# KiCad board Sound Board.kicad_pcb (continued)
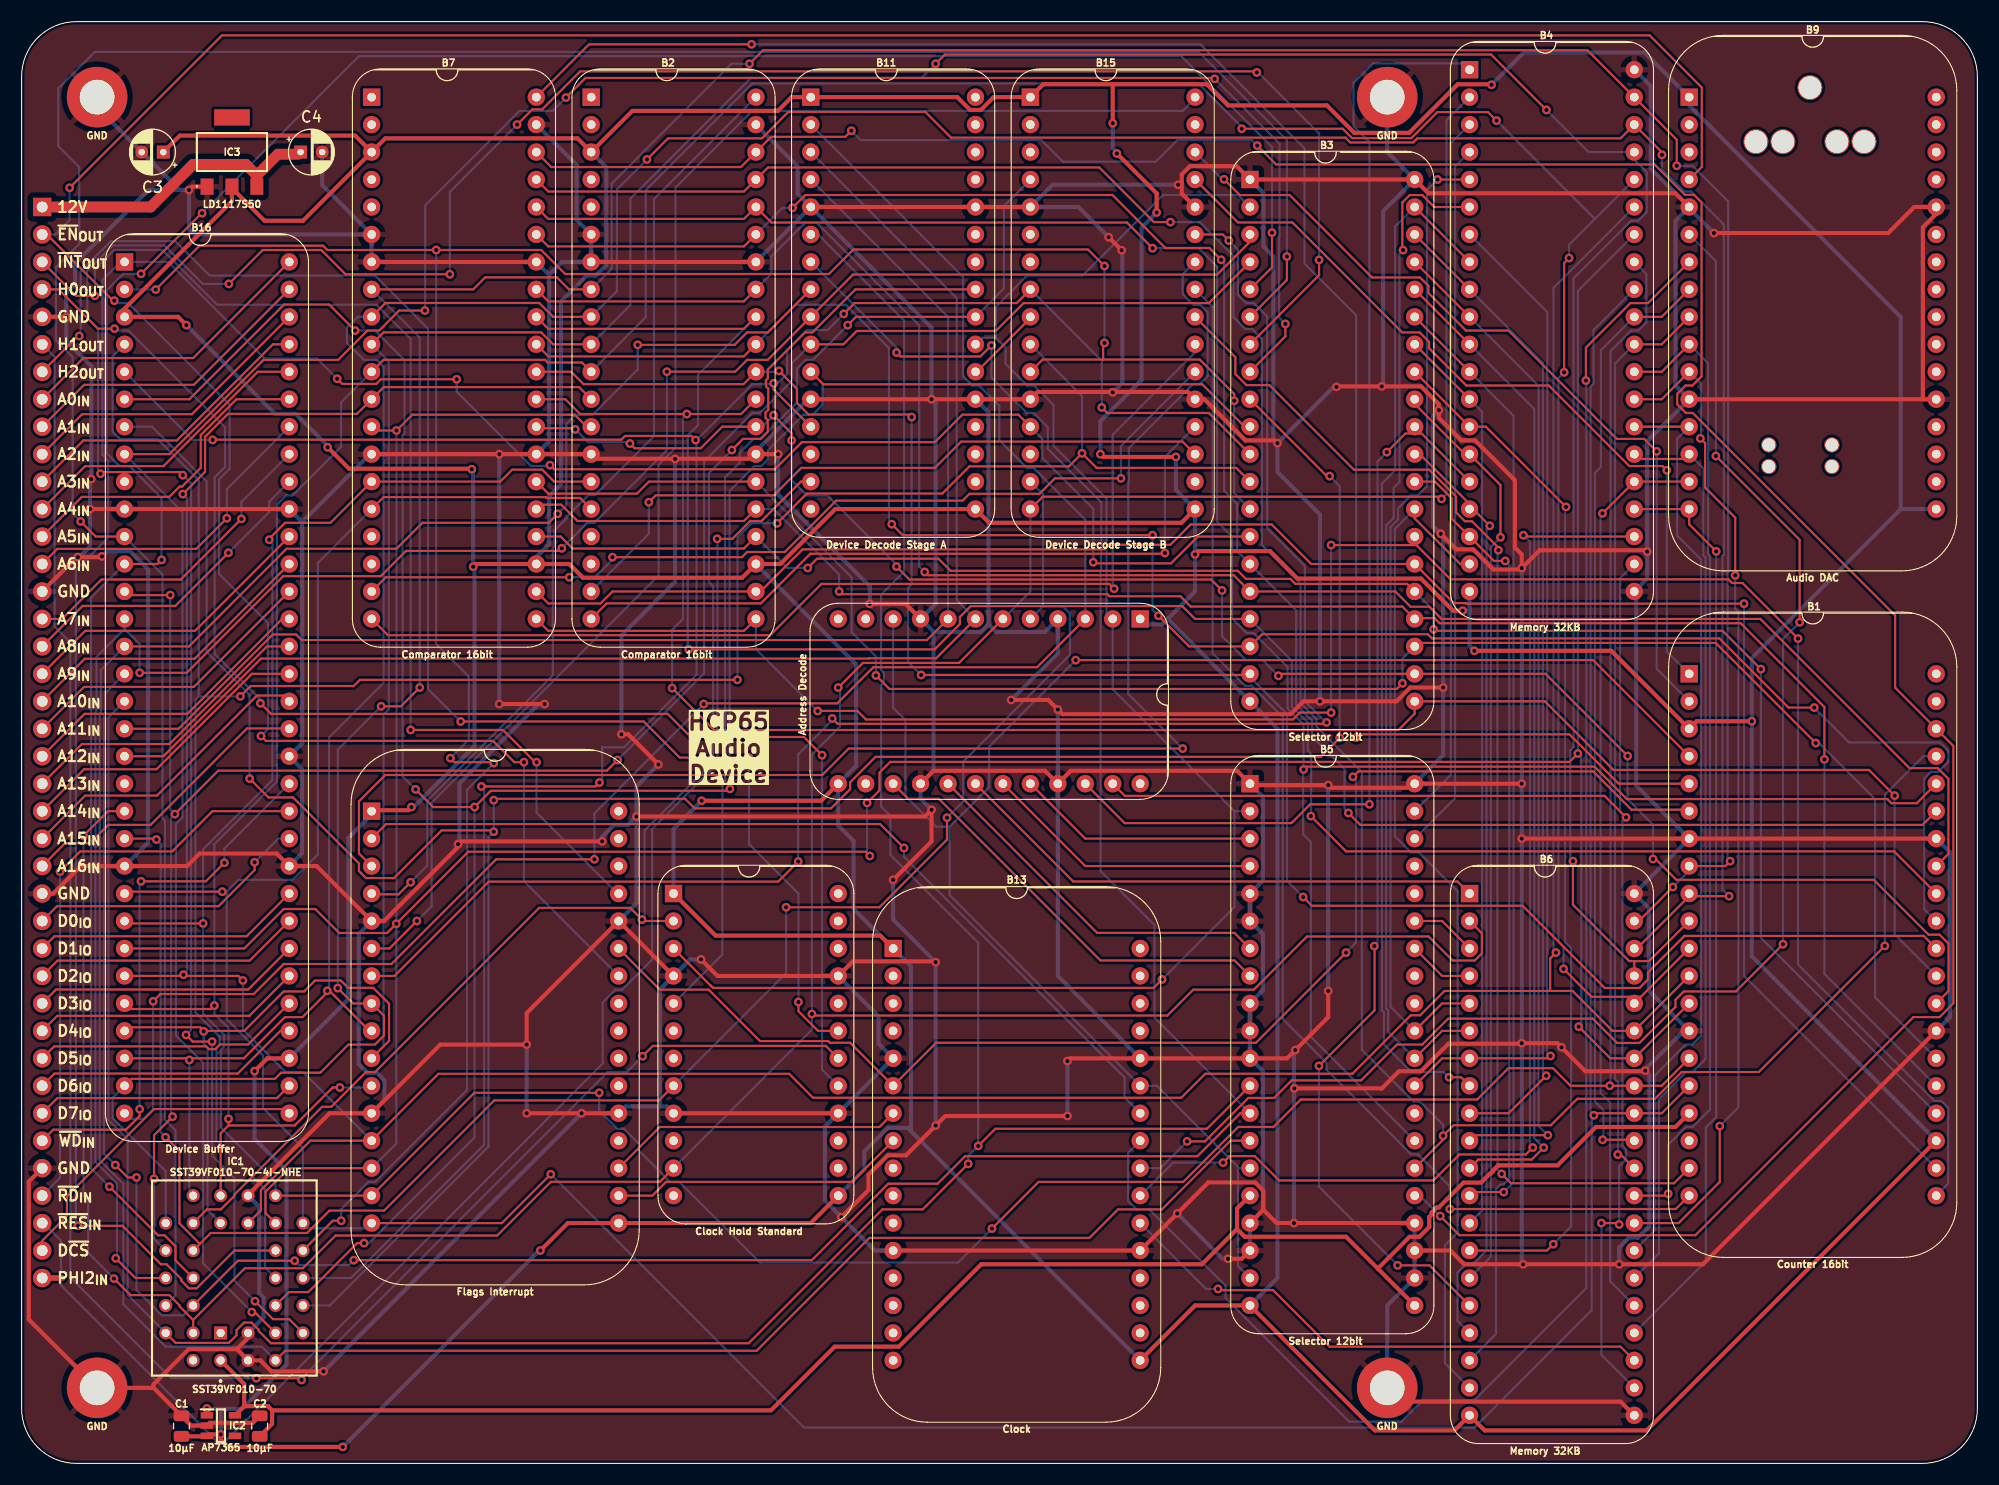
[diagram p0: board, top side]
## Routing (per net, layer and track width the routed paths; a pad name or vN(x,y) marks a point on that pad's centre or on a via; arc(x,y) is an arc through that point) (continued)
/12V: length 27.6
  Top w1: 21.76,119.14 21.76,118.13 ; 21.76,119.14 20.76,120.14 15.87,120.14 11.93,116.21 J1.1 ; 21.76,119.14 23.71,121.09 25.61,121.09
/GND: length 2069.7
  Top w0.38: J1.36 0.66,26.06 0.66,13.31 H2.1 12.21,6.99 ; 19.92,10.56 IC1.2 22.09,9.53 23.11,8.51 v1(27.94,8.51) ; 19.92,10.56 15.46,10.56 12.21,7.31 12.21,6.99 ; 19.92,10.56 20.96,11.6 IC1.3 ; v1(62.86,46.61) 64.39,45.09 B10.21 76.91,46.44 84.5,46.44 v1(84.58,46.36) ; 127.63,5.72 147.95,5.72 B6.21 ; v1(138.81,82.8) 138.81,84.07 138.18,84.71 138.18,90.93 134.49,94.62 133.22,94.62 131.14,96.69 v1(131.14,97.41) 131.14,97.96 129.49,99.62 v1(125.86,99.62) 121.71,99.62 v1(121.67,99.57) ; v1(138.81,82.8) 138.68,82.68 136.18,82.68 134.32,84.54 132.76,84.54 v1(131.32,85.98) ; v1(138.81,82.8) 140.46,84.46 150.3,84.46 v1(150.42,84.33) ; B1.27 155.57,18.42 v1(147.83,18.42) v1(138.94,18.42) 133.48,18.42 132.21,19.69 B5.23 ; v1(80.64,53.98) 84.2,57.53 v1(84.2,60.45) 83.58,59.83 v1(56.9,59.83) ; v1(46.74,32.39) v1(51.82,32.39) B8.21 ; v1(91.57,70.61) 95,70.61 v1(95.88,69.72) 96.31,69.3 117.43,69.3 118.62,70.49 v1(120.14,70.49) 127.22,70.49 128.49,71.76 v1(131.54,71.76) ; 12.21,6.99 C1.2 15.7,3.5 IC2.2 17.4,3.75 21.38,3.75 C2.2 ; J1.26 2.92,52.71 5.46,55.25 B16.23 15.31,55.25 16.47,56.4 23.61,56.4 B16.42 27.3,55.25 B8.5 33.53,50.17 40.39,57.02 v1(40.39,57.28) 40.64,57.53 v1(53.72,57.53) ; B16.55 B16.10 v1(6.33,88.27) ; v1(78.49,79.5) 81.79,79.5 B12.9 ; 53.13,92.92 60.45,92.92 v1(60.47,92.91) 60.48,92.92 67.52,92.92 ; B2.27 v1(70,93.35) ; v1(150.24,36.32) 150.19,36.28 144.7,36.28 v1(142.49,38.48) 142.11,38.86 v1(138.81,38.86) 138.76,38.82 132.03,38.82 129.49,36.28 127.46,36.28 125.87,34.68 v1(117.77,34.68) ; B5.18 112.9,18.92 v1(111.63,18.92) ; 107.35,118.26 107.35,119.21 108.12,119.98 112.43,119.98 B3.1 B3.40 130.17,117.48 153.03,117.48 B9.5 ; 107.35,118.26 v1(107.01,118.26) ; 107.35,118.26 107.35,117.44 B15.28 ; B7.7 B7.34 ; B11.5 B11.28 B15.5 ; 20.96,24.84 28.5,32.39 B8.12 38.73,38.74 v1(46.74,38.74) 46.74,41.66 B8.28 B10.4 ; B11.12 v1(84.2,98.43) B11.21 B15.12 ; B13.12 B13.21 v1(106.93,23.11) 109.8,25.98 114.14,25.98 114.9,25.22 114.9,23.46 ; v1(15.48,117.77) 15.79,118.09 IC3.1 ; v1(120.9,43.69) 120.9,41.28 v1(117.86,38.23) 117.09,37.47 B5.11 B13.28 97.03,37.47 v1(96.77,37.21) ; 113.8,62.73 v1(120.9,62.73) 121.15,62.48 128.52,62.48 ; B1.34 B1.7 v1(138.81,57.79) ; v1(75.86,22.77) 78.36,25.27 78.36,26.7 80.15,28.5 81.83,28.5 v1(84.58,31.24) 85.47,32.13 v1(96.77,32.13) ; B7.14 v1(44.2,93.35) B7.27 B2.14 ; B5.40 v1(138.81,62.87) ; B2.7 B2.34 ; 175.93,98.43 175.93,114.34 177.16,115.57 B9.28 175.13,116.21 172.72,113.79 v1(156.59,113.79) ; 175.93,98.43 B9.21 ; 175.93,98.43 B9.12 ; v1(116.2,94.36) 115.95,94.62 113.25,94.62 109.44,98.43 B15.21 107.91,99.1 101,99.1 v1(100.96,99.06) 100.93,99.1 94.02,99.1 93.54,98.62 ; B5.24 v1(117.73,22.23) 116.13,22.23 114.9,23.46 ; B5.17 114.9,23.46 ; B12.16 84.38,64.06 94.69,64.06 B12.21 97.08,64.06 112.47,64.06 B5.1 ; J1.5 4.09,106.05 v1(4.13,106) ; B10.16 B10.9 ; J1.15 5.08,83.82 v1(5.21,83.82) 7.37,83.82 v1(7.43,83.88) ; v1(58.93,64.64) 56.13,67.44 v1(55.5,67.44) ; v1(48.39,70.23) v1(44.2,70.23) ; v1(100.58,113.41) v1(101.79,112.2)
  Bottom w0.38: v1(84.2,60.45) 83.19,61.47 B12.16 84.39,64.07 84.39,76.9 ; 89.46,77.61 88.76,76.9 84.39,76.9 ; 89.46,77.61 89.46,97.23 B11.21 ; 89.46,77.61 90.17,76.9 94.68,76.9 B12.4 95.88,74.93 v1(91.57,70.61) ; 48.82,109.93 50.02,111.13 B2.7 B2.6 51.36,115.01 51.36,120.09 B7.39 ; 48.82,109.93 48.82,94.54 B7.27 ; 48.82,109.93 B7.34 ; 84.39,76.9 B12.9 84.58,79.5 84.58,98.04 v1(84.2,98.43) 84.2,105.03 B11.5 ; B10.21 79.3,41.35 79.3,38.81 B13.5 B10.16 74.33,31.15 74.33,24.31 v1(75.86,22.77) 78.95,19.69 B13.12 ; B5.18 B5.17 114.86,23.42 114.86,36.27 B5.11 B5.10 B5.9 114.86,43.74 114.86,48.97 B5.6 B5.5 114.86,53.9 114.86,61.67 B5.1 ; v1(138.94,18.42) 138.81,18.54 v1(138.81,38.86) v1(138.81,57.79) v1(138.81,62.87) v1(138.81,82.8) ; v1(116.2,94.36) 116.2,91.69 120.14,87.76 v1(120.14,70.49) ; v1(116.2,94.36) 121.41,99.57 v1(121.67,99.57) ; v1(116.2,94.36) 115.82,94.74 115.82,111.63 114.91,112.54 114.91,117.5 B3.1 ; B11.5 71.81,117.42 71.81,119.96 B2.39 ; B11.5 B2.34 ; v1(7.43,83.88) 7.92,84.38 10.02,84.38 11.71,82.68 11.71,71.02 11.68,70.99 11.68,57.4 B16.23 ; v1(84.58,31.24) v1(84.58,46.36) 80.64,50.29 v1(80.64,53.98) ; B4.40 150.75,127.38 150.75,119.76 B9.5 153.04,114.94 153.04,99.69 B9.12 150.42,94.54 v1(150.42,84.33) 150.42,81.84 B4.21 ; H4.1 126.37,121.29 B3.40 125.98,115.82 125.98,99.74 v1(125.86,99.62) ; v1(40.39,57.28) 40.51,57.4 40.51,62.9 47.84,70.23 v1(48.39,70.23) ; v1(56.9,59.83) 56.9,62.61 v1(58.93,64.64) ; v1(56.9,59.83) 56.12,59.06 54.83,59.06 53.72,57.94 v1(53.72,57.53) ; v1(56.9,59.83) 56.9,51.82 B8.28 ; B7.6 27.81,118.24 C4.2 ; B7.6 B7.7 ; B7.6 16,113.67 15.49,114.17 15.49,117.76 v1(15.48,117.77) ; B8.21 55.88,33.02 59.06,33.02 ; 59.06,33.02 59.69,33.02 B10.9 ; 59.06,33.02 59.06,43.82 B10.4 61.85,46.61 v1(62.86,46.61) ; B1.14 150.57,43.74 150.57,51.36 B6.40 B1.7 149.41,62.68 149.41,80.46 ; B8.5 31.19,48.98 31.19,43.07 31.19,43.07 31.19,36.94 32.01,36.12 32.88,36.12 33.58,35.42 33.58,33.58 B8.12 ; v1(100.96,99.06) 101.85,99.95 101.85,112.14 v1(101.79,112.2) ; v1(95.88,69.72) B12.21 95.88,45.09 B13.28 ; v1(60.47,92.91) 60.47,81.55 55.5,76.58 v1(55.5,67.44) ; 6.98,125.41 C3.2 14.62,117.77 v1(15.48,117.77) ; 153.8,40.01 150.24,36.45 v1(150.24,36.32) 150.62,35.94 150.62,21.94 149.56,20.88 148.73,20.88 147.83,19.97 v1(147.83,18.42) ; v1(15.48,117.77) 11.73,117.77 4.95,111 4.95,109.09 4.13,108.27 v1(4.13,106) 4.13,103.82 6.45,101.5 6.45,91.11 6.44,91.1 v1(6.44,91.03) 6.33,90.92 v1(6.33,88.27) 6.33,84.81 5.34,83.82 v1(5.21,83.82) ; v1(131.14,97.41) 130.6,96.86 130.6,86.7 v1(131.32,85.98) 131.54,85.75 v1(131.54,71.76) 131.54,65.51 B5.40 ; v1(111.63,18.92) 111.12,18.92 v1(106.93,23.11) ; v1(120.9,43.69) v1(120.9,62.73) ; B1.27 178.42,41.26 178.42,56.53 B1.34 ; 25.96,87.07 25.96,66.6 B16.46 25.96,64.21 25.96,56.44 B16.42 ; 25.96,87.07 B16.55 ; 25.96,87.07 32.24,93.35 ; IC1.16 21.99,23.73 21.99,15.73 22.39,15.33 22.39,13.5 IC1.3 ; v1(107.01,118.26) 95.4,118.26 B15.5 97.79,116.21 v1(100.58,113.41) ; v1(46.74,32.39) v1(46.74,38.74) ; v1(70,93.35) 70,89.6 78.49,81.12 v1(78.49,79.5) ; v1(117.73,22.23) 117.73,34.64 v1(117.77,34.68) 117.73,34.72 117.73,38.1 v1(117.86,38.23) ; 67.94,93.62 72.75,98.43 ; B5.24 B5.23 B5.22 126.37,14.61 H3.1 ; 154.31,116.08 v1(156.59,113.79) ; v1(51.82,32.39) v1(27.94,8.51) ; v1(96.77,32.13) v1(96.77,37.21) ; v1(44.2,93.35) v1(44.2,70.23)
/A0: length 239.9
  Top w0.2: v1(5.21,21.97) 9.33,21.97 12.89,18.42 13.41,18.42 14.79,17.04 14.79,16.89 15.48,16.19 16.2,16.19 19.69,19.69 IC1.12 ; v1(48.89,92.33) 49.28,91.95 69.7,91.95 72.2,94.45 84.51,94.45 87.05,97 92.23,97 B15.13 ; B3.14 108.84,85.73 106.36,83.25 99.26,83.25 v1(99.16,83.34) ; v1(40.26,100.27) 33.25,100.27 32.82,99.84 29.67,99.84 v1(29.2,100.32)
  Bottom w0.2: v1(99.16,83.34) 99.16,88.29 94.45,93.01 94.45,94.78 B15.13 ; v1(29.2,100.32) 27.32,102.19 22.49,102.19 13.56,111.13 9.14,111.13 7.47,109.46 7.47,93.27 8,92.75 8,85.61 5.02,82.63 5.02,22.16 v1(5.21,21.97) ; v1(48.89,92.33) 48.81,92.25 47.14,92.25 40.26,99.13 v1(40.26,100.27)
/A0_{IN}: length 28.1
  Top w0.2: B16.64 15.87,102.24 5.71,102.24 J1.8
/A1: length 242
  Top w0.2: 100.08,102.09 109.02,102.09 112.21,98.91 v1(112.21,98.28) ; 100.08,102.09 94.47,102.09 B15.11 ; 100.08,102.09 100.08,103.51 v1(100.2,103.63) ; v1(43.69,64.77) 43.6,64.85 40.05,64.85 v1(39.68,65.22) ; v1(29.57,22.44) 28.79,22.44 IC1.11 ; v1(12.41,108.57) 16.47,112.63 27.89,112.63 28.29,112.23 v1(38.37,112.23) 48.08,112.23 50.31,110 74.7,110 76.97,112.28 98.67,112.28 v1(100.2,110.74)
  Bottom w0.2: v1(39.68,65.22) 41.38,66.92 41.38,72.77 38.37,75.78 v1(38.37,112.23) ; B3.13 112.21,89.72 v1(112.21,98.28) ; v1(43.69,64.77) 41.21,62.3 41.21,34.53 32.72,26.04 32.09,26.04 29.57,23.52 v1(29.57,22.44) ; B16.2 12.39,108.59 v1(12.41,108.57) ; v1(100.2,103.63) v1(100.2,110.74)
/A1_{IN}: length 28.1
  Top w0.2: J1.9 5.78,99.76 15.94,99.76 B16.63
/A2: length 223
  Top w0.2: B3.12 112.39,92.08 99.47,92.08 v1(98.12,93.42) 96.92,92.22 87.71,92.22 85.19,89.7 72.66,89.7 v1(69.91,86.95) ; v1(20.24,70.95) 21.19,71.9 30.73,71.9 31.3,72.47 v1(66.24,72.47)
  Bottom w0.2: IC1.10 22.54,18.1 22.54,25.34 18.04,29.84 18.04,38.44 18.33,38.72 18.33,39.47 16.09,41.71 16.09,70.64 16.39,70.95 ; 16.39,70.95 16.39,90.92 12.58,94.73 9.12,94.73 8.43,95.43 8.43,102.41 B16.4 ; 16.39,70.95 v1(20.24,70.95) ; B15.10 98.12,98.73 v1(98.12,93.42) ; v1(69.91,86.95) 67.55,86.95 66.24,85.64 v1(66.24,72.47)
/A2_{IN}: length 28.1
  Top w0.2: B16.62 15.76,97.04 5.6,97.04 J1.10
/A3: length 231.3
  Top w0.2: v1(62.37,94.65) 61.99,95.03 55.83,95.03 55.48,94.68 17.7,94.68 v1(17.68,94.66) ; B15.8 92.08,107.32 77.08,107.32 v1(76.08,106.32) ; v1(53.47,62.97) 53.11,62.61 v1(42.55,62.61) ; v1(69.59,99.9) 69.59,99.32 B11.13 ; B3.11 109.85,97.16 100.46,97.16 v1(99.95,97.66)
  Bottom w0.2: IC1.9 30.48,17.15 42.8,29.46 42.8,62.36 v1(42.55,62.61) ; B16.5 15.83,94.66 v1(17.68,94.66) ; 62.46,94.65 v1(62.37,94.65) ; 62.46,94.65 62.46,72.95 55.73,66.23 53.79,66.23 53.72,66.29 53.72,63.22 v1(53.47,62.97) ; 62.46,94.65 67.62,99.81 69.5,99.81 v1(69.59,99.9) 69.95,99.9 70.83,100.78 70.83,102.98 72.67,104.82 74.58,104.82 v1(76.08,106.32) ; B15.8 99.95,101.98 v1(99.95,97.66)
/A3_{IN}: length 28.1
  Top w0.2: J1.11 5.71,94.62 14.37,94.62 23.26,103.51 B16.61
/A4: length 243.5
  Top w0.2: 113.17,95.89 109.25,99.81 74.18,99.81 B11.11 ; IC1.8 24.73,15.84 26.52,15.84 31.05,20.37 v1(31.69,20.37) ; v1(65.54,62.39) 65.36,62.21 43.42,62.21 v1(41.91,60.71) 38.09,60.71 v1(36.46,62.34) ; v1(30.86,104.78) 28.45,107.18 24.29,107.18 15.53,98.43 B16.6
  Bottom w0.2: v1(36.46,62.34) 35.26,63.54 35.26,95.11 35.43,95.28 35.43,102.04 32.7,104.78 v1(30.86,104.78) ; v1(65.54,62.39) 65.52,62.4 65.52,89.95 67.81,92.24 68.44,92.24 69.09,92.89 69.09,93.73 72.35,96.99 73.19,96.99 74.13,97.93 74.13,99.86 B11.11 ; v1(41.91,60.71) 41.91,30.15 32.14,20.37 v1(31.69,20.37)
/A4_{IN}: length 28.1
  Top w0.2: J1.12 5.88,92.24 13.12,92.24 21.85,100.97 B16.60
/A5: length 239.7
  Top w0.2: B3.9 120.78,91.31 v1(121.03,91.31) ; v1(21.1,63.33) 22.84,61.6 25.12,61.6 31.22,55.5 31.22,54.78 31.86,54.14 34.45,54.14 38.86,58.55 43.56,58.55 v1(43.69,58.42) ; v1(43.69,61.34) 43.81,61.47 61.4,61.47 62.28,60.59 74.9,60.59 76.67,62.36 76.67,62.99 79.02,65.35 120.21,65.35 v1(121.97,67.11)
  Bottom w0.2: v1(21.1,63.33) 21.1,71.08 17.12,75.05 17.12,90.83 12.06,95.89 B16.7 ; v1(121.97,67.11) 121.97,90.37 v1(121.03,91.31) ; v1(43.69,61.34) v1(43.69,58.42) 43.2,57.93 43.2,29.3 28.51,14.61 IC1.7
/A5_{IN}: length 29.9
  Top w0.2: J1.13 5.57,89.39 13.67,89.39 14.62,90.35 14.85,90.35 16.58,92.07 16.58,95.12 19.88,98.43 B16.59
/A6: length 239.9
  Top w0.2: B16.8 13.67,93.35 22.39,102.07 29.3,102.07 32,104.78 33.08,104.78 34.93,106.63 v1(37.32,106.63) ; v1(21.3,13.99) 21.57,13.99 IC1.6 ; v1(110.4,128.05) 110.31,128.14 52.19,128.14 v1(50.37,126.33) ; v1(116.94,105.39) 116.94,104.24 B3.8
  Bottom w0.2: v1(21.3,13.99) 16.79,18.51 16.79,37.07 14.27,39.58 14.27,59.16 14.88,59.76 14.88,87.99 B16.8 ; v1(37.32,106.63) 37.34,106.65 37.34,116.37 46.07,125.1 49.14,125.1 v1(50.37,126.33) ; v1(116.94,105.39) 116.37,105.97 116.37,113.51 116.4,113.55 116.4,122.05 v1(110.4,128.05)
/A6_{IN}: length 29.7
  Top w0.2: v1(18.99,87.42) 16.16,84.58 3.3,84.58 J1.14
  Bottom w0.2: B16.58 18.99,90.11 v1(18.99,87.42)
/A7: length 268.7
  Top w0.2: v1(45.85,123.83) 47.26,125.24 48.17,125.24 51.69,128.75 114.2,128.75 v1(114.3,128.65) ; v1(14.91,91.4) 14.63,91.69 7.45,91.69 v1(7.3,91.54) ; v1(15.22,39.63) 15.84,39.01 v1(17.63,39.01) ; v1(19.18,109.09) 22.31,112.23 27.73,112.23 29.97,109.98 v1(39.62,109.98) ; v1(21.6,15) 23.27,13.34 24.76,13.34 IC1.5 ; v1(120.06,111.31) 120.06,109.9 B3.7
  Bottom w0.2: v1(114.3,128.65) 114.42,128.65 120.06,123.01 v1(120.06,111.31) ; v1(14.91,91.4) 15.68,90.63 15.68,40.1 v1(15.22,39.63) ; v1(45.85,123.83) 39.62,117.6 v1(39.62,109.98) ; v1(19.18,109.09) 16.76,109.09 13.21,112.65 8.43,112.65 6.07,110.29 6.07,105.95 7.07,104.95 7.07,91.76 v1(7.3,91.54) ; v1(21.6,15) 19.68,16.92 19.68,26.4 17.63,28.46 v1(17.63,39.01)
/A7_{IN}: length 30.1
  Top w0.2: J1.16 3.74,78.11 7.39,81.75 14.73,81.75 v1(20.34,87.36)
  Bottom w0.2: B16.57 20.34,88.92 v1(20.34,87.36)
/A8: length 257
  Top w0.2: B3.6 117.08,109.46 v1(117.08,111.63) ; B16.11 6.86,85.73 v1(5.46,87.12)
  Bottom w0.2: B16.11 13.03,82.22 13.03,59.65 13.27,59.42 13.27,31.78 14.24,30.81 14.24,15.51 IC1.27 ; v1(5.46,87.12) 4.73,87.86 4.73,102.32 3.18,103.87 3.18,110.62 5.33,112.78 5.33,119.89 3.39,121.83 3.39,127.16 6.78,130.55 108.91,130.55 117.08,122.39 v1(117.08,111.63)
/A8_{IN}: length 29.7
  Top w0.2: v1(19.14,84.22) 14.22,79.31 5.65,79.31 J1.17
  Bottom w0.2: B16.56 22.91,88.95 22.91,88 v1(19.14,84.22)
/A9: length 237
  Top w0.2: B16.12 12.57,83.19 v1(12.95,83.57) ; v1(115.7,113.84) 115.7,110.62 B3.5 ; v1(8.12,25.6) 12.62,21.1 13.23,21.1 14.24,20.09 14.24,18.78 IC1.26 ; v1(16.7,115.63) 16.66,115.63 v1(11.05,110.03)
  Bottom w0.2: B16.12 6.43,80.09 6.43,27.29 v1(8.12,25.6) ; v1(12.95,83.57) 12.95,89.27 9.98,92.25 9.07,92.25 7.87,93.44 7.87,108.49 9.41,110.03 v1(11.05,110.03) ; v1(115.7,113.84) 115.7,121.76 107.31,130.15 31.22,130.15 v1(16.7,115.63)
/A9_{IN}: length 28.1
  Top w0.2: B16.54 16.04,77 5.88,77 J1.18
/A10: length 199.1
  Top w0.2: B11.10 76.04,103.51 77.28,104.74 90.14,104.74 92.71,107.32 109.85,107.32 B3.4 ; v1(14.18,60.05) 18.19,64.07 54.16,64.07 v1(55.14,65.05) ; 9.86,80.31 v1(13.75,80.31) ; v1(12.25,26.32) 12.25,30.36 v1(13.97,32.07)
  Bottom w0.2: IC1.23 12.25,20.77 v1(12.25,26.32) ; v1(55.14,65.05) 63.15,73.06 63.15,92.68 67.63,97.16 68.31,97.16 71.28,100.12 71.28,101.76 B11.10 ; v1(13.97,32.07) 13.83,32.21 13.83,59.7 v1(14.18,60.05) 13.75,60.48 v1(13.75,80.31)
/A10_{IN}: length 28.1
  Top w0.2: J1.19 5.84,74.42 16,74.42 B16.53
/A11: length 194.7
  Top w0.2: v1(8.71,18.97) 10.54,17.15 IC1.25 ; v1(49.98,84.63) 49.75,84.4 35.57,84.4 33.23,82.06 24.21,82.06 15.28,73.12 v1(10.92,73.12) ; 113.66,113 110.63,109.96 76.94,109.96 B11.9 69.05,102.07 67.13,102.07 66.04,100.97 v1(59.71,100.97)
  Bottom w0.2: 9.52,77.18 6.93,74.59 6.93,69.59 6.82,69.48 6.82,27.88 8.82,25.89 8.82,19.08 v1(8.71,18.97) ; 9.52,77.18 10.92,75.78 v1(10.92,73.12) ; 9.52,77.18 9.52,78.1 ; v1(59.71,100.97) 59.71,93.71 53,87 52.34,87 v1(49.98,84.63)
/A11_{IN}: length 28.1
  Top w0.2: B16.52 15.94,71.82 5.78,71.82 J1.20
/A12: length 260.5
  Top w0.2: v1(57.01,103.45) 65.97,103.45 67.13,104.61 69.05,104.61 B11.8 ; B5.14 111.87,29.84 105.52,23.5 101.45,23.5 98.82,20.86 78.46,20.86 68.01,10.41 24.38,10.41 IC1.4 ; B16.15 15.49,75.57 24.52,84.6 34.69,84.6 37.09,87 48.77,87 v1(49.61,87.83)
  Bottom w0.2: B16.15 7.33,73.37 7.33,69.42 7.22,69.32 7.22,28.05 8.54,26.73 8.55,26.73 9.41,25.86 9.41,14.71 13.33,10.8 22.22,10.8 IC1.4 ; v1(49.61,87.83) 50.4,88.62 50.4,96.15 51.24,96.99 52.83,96.99 57.01,101.17 v1(57.01,103.45)
/A12_{IN}: length 27.5
  Top w0.2: 24.11,78.11 15.34,69.33 5.83,69.33 J1.21
/A13: length 273.9
  Top w0.2: IC1.28 20.01,18.75 v1(25.27,18.75) ; v1(8.67,27.59) 9.82,26.44 v1(10.63,26.44) ; B5.13 112.77,32.39 108.79,28.41 87.3,28.41 84.76,25.87 80.19,25.87 73.12,18.8 v1(30.73,18.8) ; v1(80.96,102.74) 81.32,102.38 88.71,102.38 v1(89.73,103.4)
  Bottom w0.2: v1(8.67,27.59) 7.62,28.64 7.62,69.15 7.73,69.25 7.73,71.23 B16.16 ; B5.13 104.83,41.22 104.83,49.79 99.85,54.77 99.85,82.55 99.9,82.6 99.9,88.89 94.95,93.84 94.95,95.84 93.64,97.16 93.01,97.16 89.73,100.43 v1(89.73,103.4) ; v1(10.63,26.44) 10.63,16.04 12.97,13.7 14.97,13.7 IC1.28 ; v1(25.27,18.75) 25.67,18.34 30.28,18.34 v1(30.73,18.8) ; v1(80.96,102.74) 80.96,103.19 B11.7
/A13_{IN}: length 28.1
  Top w0.2: J1.22 5.57,66.53 13.68,66.53 22.71,75.57 B16.50
/A14: length 266.6
  Top w0.2: IC1.29 14.26,11.14 19.18,11.14 19.89,11.86 19.89,12.33 20.58,13.02 21.28,13.02 21.95,12.35 21.95,12.24 23.07,11.11 67.27,11.11 79.65,23.5 83.38,23.5 v1(87.59,27.71) ; B5.12 109.69,30.95 90.1,30.95 v1(88.52,29.36)
  Bottom w0.2: B16.17 8.02,68.99 8.02,31.76 9.81,29.97 9.81,15.59 IC1.29 ; v1(87.59,27.71) 87.59,28.44 v1(88.52,29.36) 88.52,48.15 80.39,56.27 80.39,59.88 79.53,60.74 79.53,71.99 79.79,72.24 79.79,73.14 79.53,73.39 79.53,80.36 81.66,82.48 81.66,105.7 73.7,113.67
/A14_{IN}: length 28.1
  Top w0.2: J1.23 5.78,64.2 12.48,64.2 21.31,73.03 B16.49
/A15: length 126.7
  Top w0.2: B12.8 83.77,76.15 25.92,76.15 25.4,76.67 23.24,76.67 14.52,67.95 B16.18
  Bottom w0.2: B12.8 85.72,106.05 B11.4
/A15_{IN}: length 28.6
  Top w0.2: J1.24 5.88,61.76 12.52,61.76 21.78,71.02 24.23,71.02 B16.48
/A16: length 133.5
  Top w0.2: B16.19 13.12,65.41 22.15,74.44 78.41,74.44 78.44,74.46 84.62,74.46 B12.7
  Bottom w0.2: B12.7 86.53,79.84 86.53,107.78 B11.3
/A16_{IN}: length 28.1
  Top w0.2: 24.73,67.98 20.86,67.98 11.93,59.05 8.02,59.05 6.32,57.35 4.01,57.35 J1.25
/A ~{OE}: length 65.6
  Bottom w0.2: B5.39 132.25,63.67 132.25,122.09 B4.3
/A ~{WE}: length 65.6
  Bottom w0.2: B5.38 132.64,61.53 132.64,119.95 B4.4
/B ~{OE}: length 6.1
  Top w0.2: B5.35 131.44,50.17 B6.3
/B ~{WE}: length 6.1
  Top w0.2: B5.34 131.44,45.09 B6.4
/C0: length 200.6
  Top w0.2: v1(73.66,69.59) 73.67,69.6 77.34,69.6 78.13,68.81 117.63,68.81 118.27,69.44 v1(121.17,69.44) ; B7.21 48.73,77 66.84,77 B2.21 ; v1(121.17,84.93) 129.06,84.93 132.23,81.77 157.93,81.77 158.27,81.43 159.24,81.43 v1(164.38,76.29)
  Bottom w0.2: v1(121.17,69.44) v1(121.17,84.93) ; v1(164.38,76.29) 164.38,46.14 177.01,33.51 177.65,33.51 178.27,32.89 178.27,25.87 B1.21 ; v1(73.66,69.59) 67.94,75.31 B2.21
/C1: length 177.4
  Top w0.2: v1(159.38,79.52) 133.68,79.52 133.63,79.57 132.52,79.57 B3.26 119.33,83.19 115.68,86.84 108.18,86.84 106.3,84.96 100.61,84.96 100.18,84.54 72.26,84.54 68.37,80.65 ; B7.22 48.73,79.54 53.57,79.54 54.68,80.65 B2.22
  Bottom w0.2: v1(159.38,79.52) 159.38,45.09 B1.22
/C2: length 168.8
  Top w0.2: B2.24 66.83,84.61 50.99,84.61 49.88,85.73 B7.24 ; v1(130.66,77.14) 130.8,77.01 157.39,77.01 v1(160.94,73.46) ; v1(72.75,82.82) 73.6,83.67 84.84,83.67 85.96,82.56 112.54,82.56 113.29,81.81 117.4,81.81 117.86,81.35 128.2,81.35 B3.25
  Bottom w0.2: B3.25 130.66,78.89 v1(130.66,77.14) ; B2.24 70.85,82.82 v1(72.75,82.82) ; B1.24 160.94,48.61 v1(160.94,73.46)
/C3: length 167.6
  Top w0.2: B2.25 66.84,87.16 51.44,87.16 49.93,88.68 48.04,88.68 ; B3.24 127.76,79.25 108.18,79.25 107.23,80.2 100.68,80.2 100.48,80.39 75.9,80.39 v1(75.65,80.65) ; v1(166.82,65.11) 166.82,69.96 159.07,77.71 131.22,77.71 131.2,77.73 131.19,77.73 130.74,78.18 128.98,78.18
  Bottom w0.2: v1(166.82,65.11) 166.82,45.27 B1.25 ; B2.25 69.59,88.27 75.65,82.21 v1(75.65,80.65)
/C4: length 171.7
  Top w0.2: B2.26 58.05,90.81 56.93,89.69 48.74,89.69 B7.26 ; 129.22,75.88 156.76,75.88 v1(166.02,66.63) ; v1(79.05,72.88) 80.31,71.63 127.25,71.63 v1(127.77,72.15)
  Bottom w0.2: B2.26 76.8,81.95 76.8,76.87 79.05,74.62 v1(79.05,72.88) ; B3.23 127.77,74.43 v1(127.77,72.15) ; B1.26 171.51,43.12 171.51,61.42 166.31,66.63 v1(166.02,66.63)
/C5: length 167.7
  Top w0.2: B2.28 64.83,95.89 62.84,93.89 56.72,93.89 v1(56.29,94.33) ; v1(116.3,72.84) 116.48,73.03 B3.22 141.02,73.03 v1(148.61,65.43) ; v1(69.58,96.94) 71.25,95.27 v1(71.25,94.62) ; v1(80.96,82.95) 82.16,81.75 110.07,81.75 v1(111.08,80.74) ; 47.77,95.74 51.12,95.74 v1(51.23,95.64) ; B1.28 178.31,43.69 178.31,48.06 177.47,48.9 176.46,48.9 171.38,53.98 153.12,53.98 151.19,55.9 v1(150.96,55.9)
  Bottom w0.2: v1(148.61,65.43) 148.61,61.41 150.96,59.07 v1(150.96,55.9) ; v1(80.96,82.95) 80.96,83.12 74.54,89.54 72.66,89.54 71.25,90.95 v1(71.25,94.62) ; v1(116.3,72.84) 114.84,74.3 113.29,74.3 111.08,76.51 v1(111.08,80.74) ; v1(51.23,95.64) 52.42,94.45 56.17,94.45 v1(56.29,94.33) ; 68.52,95.89 v1(69.58,96.94)
/C6: length 185.7
  Top w0.2: B7.29 50.31,98.43 51.68,97.05 v1(61.55,97.05) 66.57,97.05 B2.29 ; v1(173.32,61.76) 170.95,64.14 147.3,64.14 140.95,70.49 B3.21 128.91,69.34 127.39,67.83 64.08,67.83 v1(60.2,71.71)
  Bottom w0.2: v1(173.32,61.76) 173.32,48.93 B1.29 ; v1(60.2,71.71) 60.2,77.11 61.2,78.11 61.2,96.7 v1(61.55,97.05)
/C7: length 180.4
  Top w0.2: B2.30 66.8,99.82 52,99.82 50.85,100.97 B7.30 ; 113.56,72.92 v1(83.23,72.92) ; B1.30 176,48.79 153.87,48.79 150.5,45.41 150.5,44.76 149.7,43.97 146.5,43.97 138.89,51.58 119.39,51.58 v1(118.59,52.38) ; v1(82.36,96.77) 82.12,97.01 72.81,97.01 71.75,98.08 71.75,99.38 v1(70.08,101.05)
  Bottom w0.2: B2.30 70,100.97 v1(70.08,101.05) ; v1(118.59,52.38) 117.09,53.87 117.09,69.31 113.66,72.74 ; v1(83.23,72.92) 82.03,74.12 82.03,80.99 82.36,81.31 v1(82.36,96.77)
/C8: length 182.1
  Top w0.2: v1(165.88,69.9) 163.5,69.9 157.1,76.31 130.51,76.31 130.13,76.69 114.79,76.69 B3.18 108.03,75.57 v1(105.2,78.4) ; v1(80.52,86.87) 81.53,85.85 v1(104.65,85.85) ; B7.31 48.74,102.39 66.83,102.39 B2.31
  Bottom w0.2: B1.31 176.06,51.27 176.06,63.33 176.7,63.97 177.35,63.97 178.29,64.9 178.29,65.9 177.52,66.68 169.11,66.68 v1(165.88,69.9) ; B2.31 71.6,107.16 76.26,107.16 80.26,103.16 80.26,87.13 v1(80.52,86.87) ; v1(104.65,85.85) 104.65,78.95 v1(105.2,78.4)
/C9: length 190.5
  Top w0.2: B1.32 173.26,56.61 122.56,56.61 v1(119.3,59.87) ; v1(61.73,75.29) 84.48,75.29 86.83,77.63 86.83,78.29 87.83,79.29 107.4,79.29 108.59,78.11 B3.17 ; B7.32 48.73,104.94 66.84,104.94 B2.32
  Bottom w0.2: B3.17 117.54,74.23 117.54,69.99 119.03,68.51 119.03,65.9 119.33,65.6 119.33,59.9 v1(119.3,59.87) ; v1(61.73,75.29) 61.64,75.39 61.64,95.08 62.59,96.04 62.59,100.69 B2.32
/C10: length 178
  Top w0.2: B7.33 48.74,107.47 66.83,107.47 B2.33 ; v1(83.57,82.45) 83.87,82.15 112.16,82.15 B3.16 127.11,80.65 128.52,79.23 130.26,79.23 131.39,78.11 160.9,78.11 174.7,64.3 177.3,64.3 178.29,63.31 178.29,56.37 B1.33
  Bottom w0.2: B2.33 69.38,110.02 69.38,111.64 72.52,114.77 73.55,114.77 83.06,105.26 83.06,82.95 v1(83.57,82.45)
/C11: length 179.7
  Top w0.2: v1(122.77,60.16) 123.87,59.05 175.89,59.05 B1.35 ; B7.35 48.73,112.56 66.84,112.56 B2.35 ; v1(111,111.32) 109.9,112.41 105.84,112.41 100.94,117.31 72.52,117.31 v1(71.33,116.13)
  Bottom w0.2: v1(71.33,116.13) 70.41,116.13 B2.35 ; v1(122.77,60.16) 122.42,60.51 122.42,64.23 119.43,67.22 119.43,68.67 117.94,70.15 117.94,78.91 B3.15 112.49,84.36 112.49,88.74 111.28,89.95 111.28,111.04 v1(111,111.32)
/C12: length 215.8
  Top w0.2: v1(104.65,112.4) 102.28,114.77 69.38,114.77 B2.36 66.84,115.1 48.73,115.1 B7.36 ; B1.36 175.36,61.06 173.03,61.06 172.64,61.45 148.54,61.45 145.55,64.44 118.89,64.44 v1(118.63,64.18)
  Bottom w0.2: B5.27 119.29,39.46 119.29,57.47 118.59,58.17 118.59,64.15 v1(118.63,64.18) 118.63,68.34 117.14,69.82 117.14,73.66 114.02,76.79 113.37,76.79 112.01,78.15 112.01,85.72 110.63,87.1 110.63,110.69 108.92,112.4 v1(104.65,112.4)
/C13: length 231.9
  Top w0.2: v1(106.3,114.81) 104.78,114.81 99.72,119.86 69.06,119.86 B2.37 66.83,117.63 48.74,117.63 B7.37 ; v1(172.41,47.86) 160.74,36.2 153.61,36.2 151.14,33.72 143.95,33.72 141.5,31.27 132.5,31.27 v1(131.53,30.3) 131.53,29.93 B5.26
  Bottom w0.2: v1(106.3,114.81) 109.01,114.81 112.13,111.68 112.13,106.02 113.21,104.94 113.85,104.94 114.77,104.03 114.77,84.95 118.34,81.37 118.34,70.32 119.83,68.84 119.83,68.13 124.01,63.95 124.01,38.25 128.78,33.49 129.36,33.49 131.53,31.31 v1(131.53,30.3) ; v1(172.41,47.86) 172.41,61.84 175.97,65.41 B1.37
/C14: length 260.3
  Top w0.2: B7.38 49.01,119.9 66.56,119.9 B2.38 69.36,122.7 76.21,122.7 v1(76.78,123.26) ; v1(114.34,121.89) 116.08,120.14 151.1,120.14 153.91,117.33 154.76,117.33 155.45,116.64 155.45,100.54 154.6,99.7 153.98,99.7 153.2,98.92 153.2,97.96 154,97.16 154.64,97.16 173.36,78.43 173.36,71.75 B1.38 178.75,66.36 178.75,42.55 177.48,41.28 175.05,41.28 154.88,21.1 133.04,21.1 v1(131.27,22.88)
  Bottom w0.2: v1(114.34,121.89) 113.83,122.39 106.93,122.39 104.94,120.4 96.35,120.4 94.36,122.39 77.65,122.39 v1(76.78,123.26) ; 129.38,24.77 v1(131.27,22.88)
/CLK: length 158.1
  Top w0.2: B1.4 145.41,74.3 v1(97.54,74.3)
  Bottom w0.2: 85.88,58.89 84.62,58.89 81.77,61.74 81.77,68.75 80.64,69.88 B12.10 ; 85.88,58.89 89.53,62.55 89.53,66.29 v1(97.54,74.3) ; 85.88,58.89 85.88,52.55 B13.27 105.06,34.93 112.55,27.43 112.55,27.31 ; 112.55,27.31 112.55,18.26 B5.19 ; 112.55,27.31 B5.15
/Clock Select _{S0}: length 27.5
  Top w0.2: B13.8 76.83,26.04 59.63,26.04 58.36,24.77 B8.18
/Clock Select _{S1}: length 27.5
  Top w0.2: B13.7 79.37,31.11 59.05,31.11 B8.19
/CPU A ~{OE}: length 22.4
  Top w0.2: B12.20 98.42,57.79 B5.3
/CPU A ~{OE}·~{WE}: length 106.8
  Top w0.2: v1(124.71,60.96) 119.24,60.96 117.5,59.22 102.07,59.22 B12.22
  Bottom w0.2: v1(124.71,60.96) 124.71,122.22 123.25,123.68 123.25,127.69 125.05,129.49 133.4,129.49
/CPU A ~{WE}: length 26
  Top w0.2: B5.4 98.42,55.25 B12.19
/CPU B ~{OE}: length 34.3
  Top w0.2: B5.7 112.23,49.06 99.53,49.06 B12.17
/CPU B ~{OE}·~{WE}: length 49.9
  Top w0.2: B6.1 132.87,53.82 97.31,53.82 B12.18
/CPU B ~{WE}: length 40.4
  Top w0.2: B5.8 112.24,46.51 99.83,46.51 84.88,61.47 82.04,61.47 B12.15
/D0: length 349.3
  Top w0.2: B8.16 44.44,22.23 v1(48.96,26.74) ; v1(18.57,52.88) 9.7,52.88 ; B7.16 33.49,89.37 48.49,89.37 48.57,89.29 51.68,89.29 B2.16 ; B1.16 151.76,32.39 B6.32 145.67,32.39 145.48,32.2 v1(145.48,32.19)
  Bottom w0.2: 31.9,21.74 26.52,21.74 IC1.13 26.04,29.17 22.35,32.86 22.35,37.72 18.98,41.08 18.98,52.88 ; B4.32 145.45,104.81 145.45,99.86 145.18,99.59 145.18,32.49 v1(145.48,32.19) 145.29,32 145.29,14.16 134.43,3.3 72.4,3.3 v1(48.96,26.74) ; B7.16 27.41,83.29 27.41,56.32 25.06,53.98 20.07,53.98 18.98,52.88 ; 18.98,52.88 v1(18.57,52.88)
/D0_{IN/OUT}: length 26.4
  Top w0.2: J1.27 3.28,51.54 18.22,51.54 21.56,54.88 v1(21.56,55.6)
  Bottom w0.2: B16.43 23.75,57.79 v1(21.56,55.6)
/D1: length 336.7
  Top w0.2: B1.15 151.76,34.93 B6.33 v1(146.95,34.93) 143.33,34.93 141.7,36.55 137.59,36.55 134.69,33.66 118.37,33.66 115.83,31.12 112.57,31.12 107.49,26.04 94.11,26.04 v1(89.79,21.72) ; 9.75,49.94 v1(16.79,49.94) ; IC1.14 B8.15 41.9,34.28 v1(53.45,34.28) ; B2.15 49.28,90.81 48.17,91.91 45.39,91.91 44.29,90.81 B7.15 28.57,87 24.38,87 22.91,85.53 v1(22.91,85.43)
  Bottom w0.2: v1(53.45,34.28) 53.45,32.62 55.12,30.95 55.73,30.95 57.13,29.55 57.13,28.91 60,26.04 60.86,26.04 68.32,18.57 86.65,18.57 v1(89.79,21.72) ; v1(146.95,34.93) 147.02,35 147.02,102.87 148.93,104.78 149.58,104.78 150.34,105.54 150.34,110.01 B4.33 ; v1(22.91,85.43) 23.21,85.14 23.21,63.21 16.79,56.8 v1(16.79,49.94) 16.79,41.57 18.73,39.64 18.73,38.56 18.44,38.27 18.44,31.07 23.5,26.02 IC1.14
/D1_{IN/OUT}: length 25
  Top w0.2: J1.28 3.03,48.75 20.81,48.75 B16.41
/D2: length 341.3
  Top w0.2: v1(144.01,65.65) 143.23,64.88 80.38,64.88 79.38,63.88 79.38,62.23 v1(78.23,61.09) ; 32.74,95.53 v1(34.69,95.53) 36.15,96.99 51.18,96.99 52.28,95.89 ; v1(78.49,56.18) 78.09,56.57 41.33,56.57 v1(34.67,49.91) 33.82,49.06 29.39,49.06 27.18,51.27 24.25,51.27 20.61,47.63 B16.26 ; IC1.15 22.57,23.15 22.57,25.12 24.76,27.31 B8.14 ; B1.13 B6.34 147.01,37.47 v1(144.08,40.39)
  Bottom w0.2: v1(34.69,95.53) 34.69,49.93 v1(34.67,49.91) 34.67,29.59 B8.14 ; B4.34 144.01,108.45 v1(144.01,65.65) 144.32,65.34 144.32,40.63 v1(144.08,40.39) ; v1(78.23,61.09) 78.23,56.44 v1(78.49,56.18)
/D2_{IN/OUT}: length 25
  Top w0.2: B16.40 21.1,46.5 3.32,46.5 J1.29
/D3: length 345.6
  Top w0.2: v1(20.48,44.67) 20.06,45.09 14.98,45.09 ; v1(14.91,89.65) 16.98,91.71 16.98,94.95 19.1,97.07 31.03,97.07 B7.12 33.51,99.55 51.58,99.55 B2.12 ; v1(141.98,47.24) 141.44,46.7 141.44,43.7 ; 14.98,45.09 9.53,45.09 ; 14.98,45.09 v1(14.98,45.2) ; 141.44,43.7 131.66,43.7 129.41,41.44 128.54,41.44 123.14,36.04 109.52,36.04 107.3,33.82 73.24,33.82 71.02,36.03 38.57,36.03 B8.13 26.72,29.84 22.14,25.26 22.14,23.41 IC1.17 ; 141.44,43.7 143.51,43.7 147.21,40.01 B6.35 B1.12
  Bottom w0.2: v1(14.98,45.2) 15.28,45.5 15.28,89.28 v1(14.91,89.65) ; v1(141.98,47.24) 141.75,47.48 141.75,108.73 B4.35 ; B8.13 26.04,36.2 24.43,36.2 20.48,40.15 v1(20.48,44.67)
/D3_{IN/OUT}: length 25
  Top w0.2: B16.39 20.97,43.83 3.19,43.83 J1.30
/D4: length 336.6
  Top w0.2: 19.15,31.25 18.41,30.52 IC1.18 ; 19.15,31.25 25.27,31.25 28.78,34.77 v1(29.45,34.77) ; 19.15,31.25 v1(19.15,31.87) ; v1(142.68,45.73) 145.26,43.16 149.84,43.16 B1.11 ; B16.28 10.05,42.02 17.52,42.02 v1(17.83,42.34) ; v1(136.48,124.2) 135.69,124.98 131.01,124.98 128.6,122.57 123.11,122.57 122.24,123.44 v1(112.9,123.44) ; B7.11 33.49,102.07 48.44,102.07 48.69,101.82 51.85,101.82 B2.11 ; v1(143.19,111.49) 142.73,111.03 v1(142.73,100.91)
  Bottom w0.2: B2.11 57.75,106.01 57.75,117.76 67.62,127.64 108.87,127.64 112.9,123.6 v1(112.9,123.44) ; v1(143.19,111.49) 143.19,112.71 145.58,115.1 ; B4.36 145.58,115.1 ; 145.58,115.1 v1(136.48,124.2) ; v1(19.15,31.87) 19.15,40.27 17.83,41.58 v1(17.83,42.34) 17.83,57.27 23.62,63.05 23.62,88.68 24.47,89.54 25.08,89.54 29.56,94.02 29.56,98.14 B7.11 ; v1(29.45,34.77) 32.23,34.77 ; v1(142.73,100.91) 142.21,100.39 142.21,48.26 142.68,47.79 v1(142.68,45.73)
/D4_{IN/OUT}: length 25
  Top w0.2: B16.38 21.07,41.39 3.29,41.39 J1.31
/D5: length 345.6
  Top w0.2: v1(141.1,125.18) 135.98,130.3 85.43,130.3 v1(84.58,129.45) ; B2.10 49.18,103.51 48.08,104.61 33.49,104.61 B7.10 ; 16.85,40.01 v1(16.85,39.96) ; 16.85,40.01 20.61,40.01 24.25,43.65 26.14,43.65 27.15,44.66 29.54,44.66 30.22,43.98 32.53,43.98 34,42.51 34,39.08 B8.10 ; 16.85,40.01 16.52,40.34 9.86,40.34 ; v1(143.55,55.7) 143.55,51.67 148.77,46.45 149.22,46.45 ; 149.22,46.45 150.59,46.45 B1.10 ; 149.22,46.45 B6.37
  Bottom w0.2: IC1.19 17.21,23.43 17.21,38.44 16.85,38.8 v1(16.85,39.96) ; v1(143.55,55.7) 143.3,55.95 143.3,65.95 143.61,66.25 143.61,109.61 148.93,114.94 149.58,114.94 150.37,115.73 150.37,119.45 149.22,120.59 ; v1(84.58,129.45) 83.28,128.16 67.51,128.16 56.33,116.98 56.33,107.13 B2.10 ; B7.10 33.97,101.92 33.97,69.73 33.49,69.25 33.49,38.57 B8.10 ; v1(141.1,125.18) 144.99,121.29 B4.37
